# Altium PCB BMD_RevB_PCB.PcbDoc (part 3 of 3)
Units mil, origin at the board's own origin, x right, y up, seen from the top; angles counter-clockwise.
Board outline 5748.03 x 2329.72 mil, 6 copper layers (L1-Top, L2-GND, L3-MID, L4-PWR, L5-PWR5V, L6-Bottom), stack 60.268 mil thick; 313 components, 215 nets, 1099 pads, 390 vias.
Unrouted connection lines stored in the file: 98.
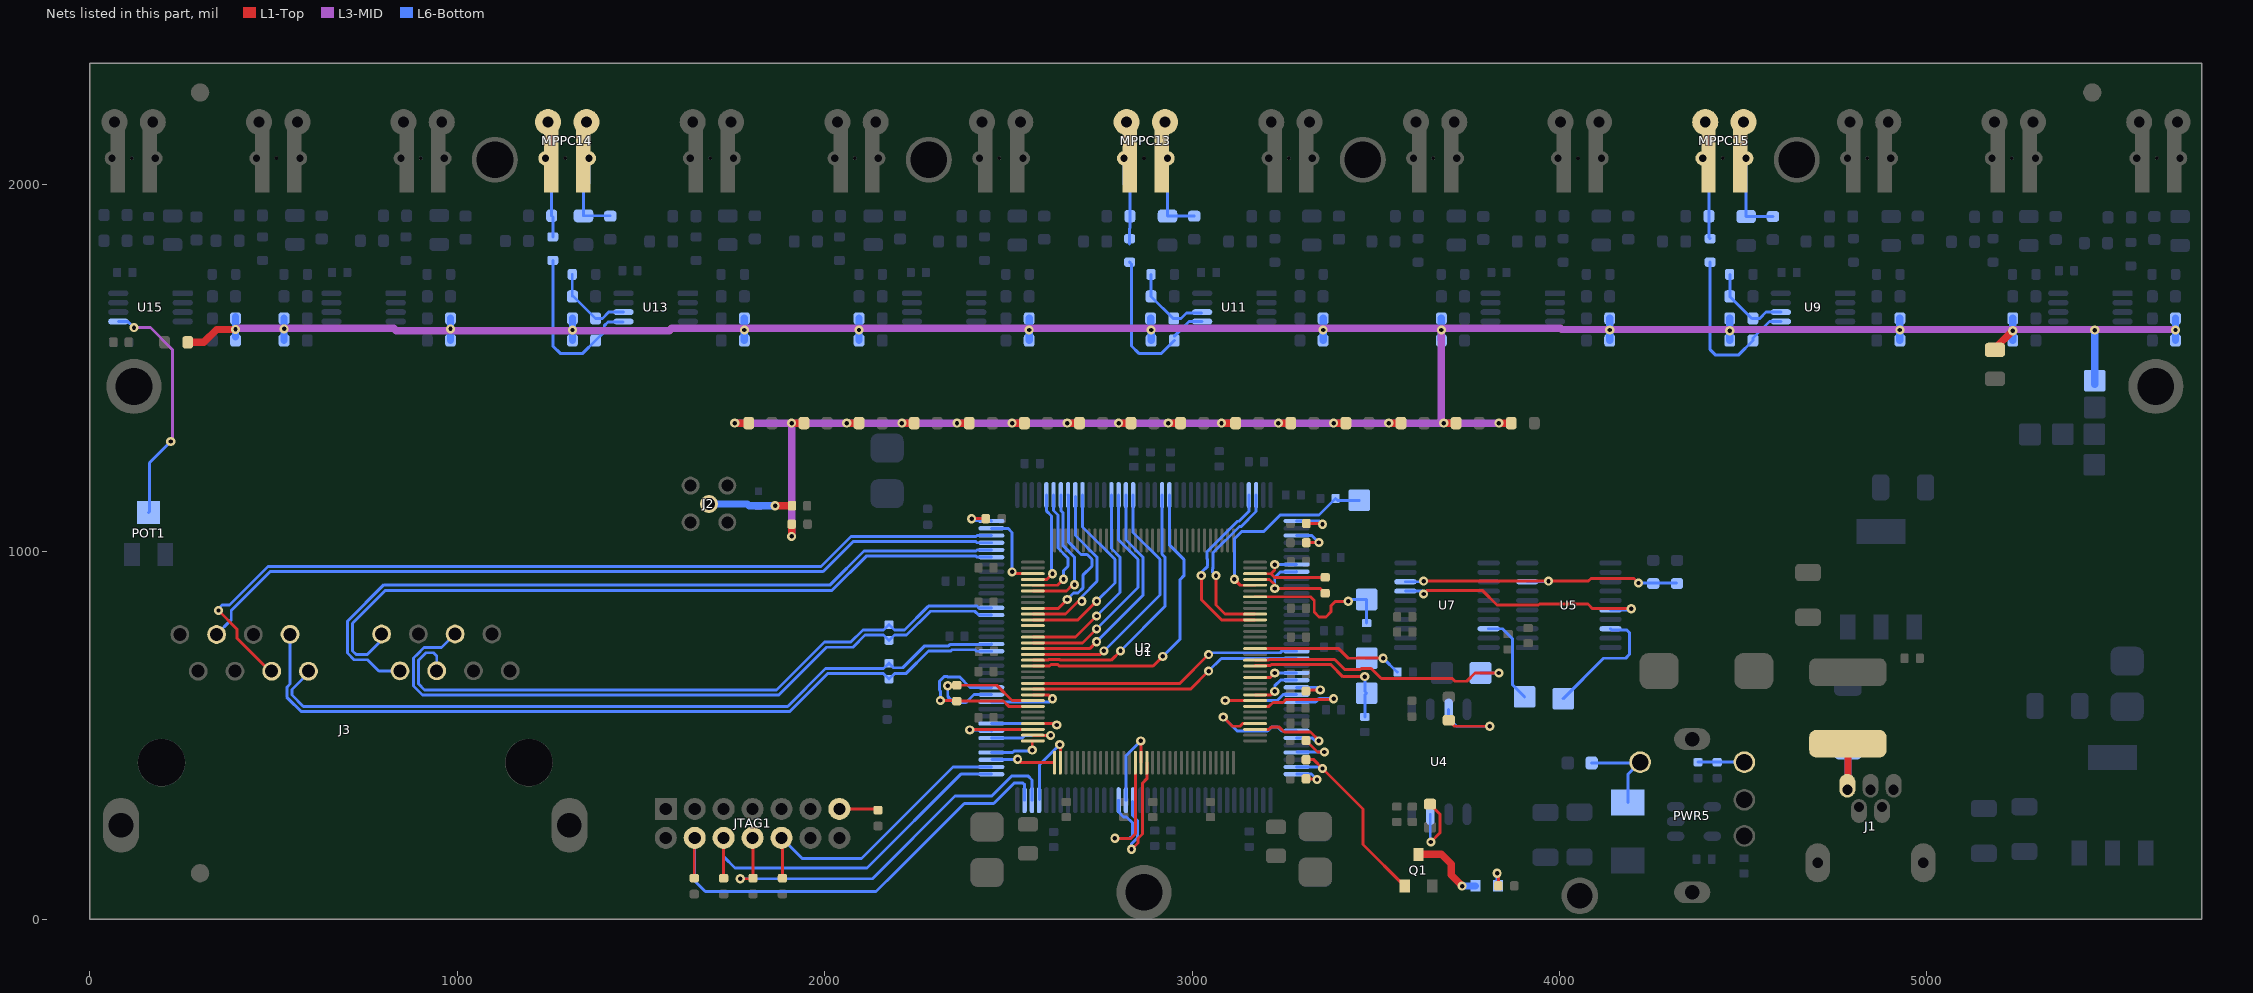
[diagram p7: the nets of this part, all layers, seen from the top]

## Via types
v1: diameter 25, hole 12, L1-Top to L6-Bottom, tented both sides, 390 vias

## Nets (pads, with @x,y where several pads share a name; then routed paths per layer and width w, separated by ;. In a path a pad name is that pad's centre, name@x,y a point inside that pad or via, vN(x,y) a via of type N, cw(c..) or ccw(c..) an arc to the next point about the centre after c; other vN are vias at no path point) (continued)
NetC128_1: C128.1 R90.2 R91.1 U11.6 | length 228
  L6-Bottom w8: C128.1@2888,1755 2888,1695.5 R91.1@2888.5,1695 2948.5,1635 R90.2@2950,1635 2970,1635 2985,1650 U11.6@3025.2,1650
NetC129_1: C129.1 R92.2 R93.1 U13.6 | length 227.4
  L6-Bottom w8: R93.1@1313,1695.5 C129.1@1313,1755 ; R93.1@1316.5,1695 R92.2@1376.5,1635 1395,1635 1412.2,1652.2 U13.6@1452.4,1652.2
NetC130_1: C130.1 R96.2 R97.1 U9.6 | length 230.4
  L6-Bottom w8: C130.1@4463.5,1754.5 R97.1@4463.5,1695 4523.5,1635 R96.2@4526.5,1635 4545,1635 4562.2,1652.2 U9.6@4602.4,1652.2
NetC132_1: C132.1 MPPC13.2 R94.2 | length 230.3
  L6-Bottom w8: MPPC13.2@2933.07,2070.87 R94.2@2933.07,1913.39 C132.1@3005.91,1913.39
NetC133_1: C133.1 MPPC14.2 R95.2 | length 234.5
  L6-Bottom w8: MPPC14.2@1358.28,2070.88 1358.28,2001.72 1343.5,1986.94 R95.2@1343.5,1914.37 C133.1@1415.35,1914.37
NetC134_1: C134.1 MPPC15.2 R98.2 | length 231.3
  L6-Bottom w8: MPPC15.2@4507.87,2070.87 R98.2@4507.87,1912.4 C134.1@4580.71,1912.4
NetC135_1: C135.1 MPPC13.1 R102.2 | length 239.7
  L6-Bottom w8: MPPC13.1@2815,2070.86 2815,2000 2830.71,1984.29 R102.2@2830.71,1913.39 2830.71,1880.71 ; 2830,1837 2830,1880
NetC135_2: C135.2 R99.1 U11.5 | length 461.9
  L6-Bottom w8: C135.2@2830,1788 2835,1783 2835,1560 2855,1540 2916.5,1540 R99.1@2951.5,1575 ; R99.1@2951.5,1586.5 2991.61,1626.61 U11.5@3027.4,1626.61
NetC136_1: C136.1 MPPC14.1 R103.2 | length 217.6
  L6-Bottom w8: MPPC14.1@1240,2070.71 1240,2000 1256.89,1983.11 R103.2@1256.89,1914.37 ; C136.1@1260,1857 R103.2@1260,1911.26
NetC136_2: C136.2 R100.1 U13.5 | length 476.9
  L6-Bottom w8: C136.2@1260,1793 1260,1560 1280,1540 1341.5,1540 R100.1@1376.5,1575 1400,1598.5 1400,1615 1410,1625 U13.5@1450.79,1625
NetC137_1: C137.1 MPPC15.1 R104.2 | length 219.9
  L6-Bottom w8: MPPC15.1@4395,2065.66 4395,1995 4406.5,1983.5 R104.2@4406.5,1913.39 4406.5,1855.5 C137.1@4410,1852
NetC137_2: C137.2 R101.1 U9.5 | length 478.4
  L6-Bottom w8: C137.2@4410,1788 4410,1550 4425,1535 4486.5,1535 R101.1@4526.5,1575 4526.5,1581.5 4571.61,1626.61 U9.5@4602.4,1626.61
NetC141_2: C141.2 J2.1 R106.2 | length 226.4
  L1-Top w20: v1@1866.65,1125 C141.2@1910.98,1125
  L6-Bottom w20: J2.1@1685,1130 1790,1130 1795,1125 R106.2@1820,1125 v1(1865,1125)
NetD2_1: D2.1 FB2.1 PWR5.4 | length 253.9
  L6-Bottom w8: FB2.1@4087.48,425 PWR5.4@4217.32,425 ; D2.1@4186.02,316.93 4186.02,393.7 PWR5.4@4217.32,425 ; PWR5.4@4219.49,427.17 PWR5.4@4217.32,425
NetDAC1_1: DAC1.1 U5.18 | length 345.2
  L6-Bottom w8: DAC1.1@4010,600 4120,710 4180,710 4190,720 4190,780 4182.5,787.5 4141.63,787.5 U5.18@4138.78,790.35
NetDAC2_1: DAC2.1 U7.18 | length 247.9
  L6-Bottom w8: U7.18@3807.09,790.35 3844.65,790.35 3871.5,763.5 3871.5,638.5 DAC2.1@3905,605
NetDONE1_1: DONE1.1 Q1.3 | length 208.2
  L1-Top w20: Q1.3@3616.14,176.18 3678.82,176.18 3705,150 3705,120 v1(3735,90)
  L6-Bottom w20: v1(3735,90) DONE1.1@3771.1,90
NetDONE1_2: DONE1.2 R8.2 | length 71.5
  L1-Top w8: v1(3830,125) 3833.66,121.34 R8.2@3833.66,90.55
  L6-Bottom w8: v1(3830,125) 3830,93.23 DONE1.2@3832.68,90.55
NetJTAG1_13: JTAG1.13 R20.1 | length 106.4
  L1-Top w8: JTAG1.13@2039.96,300 2141.65,300 R20.1@2145,296.65
NetPOT1_2: POT1.2 U15.5 | length 649.2
  L3-MID w8: v1(120,1610) 165,1610 225,1550 225,1305 v1(220,1300)
  L6-Bottom w8: U15.5@77.4,1626.61 103.39,1626.61 v1(120,1610) ; POT1.2@160,1107.09 161.98,1109.07 161.98,1241.98 v1(220,1300)
NetPWR5_3: PWR5.3 R18.1 R19.2 | length 126
  L6-Bottom w8: R18.1@4376.97,427.17 PWR5.3@4502.95,427.17
NetQ1_1: Q1.1 R9.2 U2.71 | length 539.8
  L1-Top w8: R9.2@3310.98,435 3330,435 v1(3355,410) 3465,300 3465,203.31 Q1.1@3578.74,89.57
  L6-Bottom w8: U2.71@3284.37,414.2 3350.8,414.2 v1(3355,410)
NetR3_1: R3.1 U2.144 | length 94.7
  L1-Top w8: v1(2400,1090) R3.1@2438.35,1090
  L6-Bottom w8: v1(2400,1090) 2405,1085 2452.15,1085 U2.144@2453.66,1083.49
NetR5_1: R5.1 U2.69 | length 137.1
  L1-Top w8: R5.1@3310.04,486.22 3341.26,455 v1(3360,455)
  L6-Bottom w8: U2.69@3285.8,455 v1(3360,455)
NetR6_1: R6.1 U2.60 | length 101.1
  L1-Top w8: R6.1@3316.06,621.06 3318.81,623.81 v1(3348.78,623.81)
  L6-Bottom w8: U2.60@3284.37,630.73 3341.85,630.73 v1(3348.78,623.81)
NetR7_1: R7.1 U2.39 | length 102.7
  L1-Top w8: R7.1@3311.02,1024.61 3344.61,1024.61 v1(3345,1025)
  L6-Bottom w8: U2.39@3284.37,1044.12 3325.88,1044.12 v1(3345,1025)
NetR10_1: R10.1 U2.37 | length 118.9
  L1-Top w8: R10.1@3311.02,1076.77 3353.23,1076.77 v1(3355,1075)
  L6-Bottom w8: U2.37@3284.37,1083.49 3346.51,1083.49 v1(3355,1075)
NetR11_2: R11.2 U2.72 | length 92.1
  L1-Top w8: R11.2@3310.04,381.89 3338.11,381.89 v1(3340,380)
  L6-Bottom w8: U2.72@3284.86,395 3325,395 v1(3340,380)
NetR26_1: R26.1 U4.7 | length 200.8
  L1-Top w8: R26.1@3647.64,312.99 3675,285.63 3675,235 v1(3650,210)
  L6-Bottom w8: U4.7@3648.23,285.43 3648.23,211.77 v1(3650,210)
NetR27_1: R27.1 U4.3 | length 262.8
  L1-Top w8: R27.1@3698.82,541.34 3715.16,525 v1(3810,525)
  L6-Bottom w8: U4.3@3698.23,570.87 3698.23,546.77 3720,525 v1(3810,525)
NetR28_1: R28.1 R29.1 U5.8 U7.8 | length 805.1
  L1-Top w8: v1(3630,920) v1(3970,920) 4078.18,920 4085.68,927.5 4202.5,927.5 v1(4215,915)
  L6-Bottom w8: U7.8@3580.71,918.31 3628.31,918.31 v1(3630,920) ; U5.8@3912.4,918.31 3968.31,918.31 v1(3970,920) ; v1(4215,915) R28.1@4318.5,915
NetU5_16: U5.16 U7.7 | length 705
  L1-Top w8: v1(3630,885) 3640,895 3790,895 3830,855 3943.18,855 3945.68,857.5 4077.5,857.5 4090,845 v1(4195,845)
  L6-Bottom w8: U7.7@3580.71,892.72 3627.28,892.72 3630,890 v1(3630,885) ; U5.16@4138.78,841.54 4191.54,841.54 v1(4195,845)
ORed_Trig_N: J3.B6 U2.141 | length 2229.3
  L6-Bottom w8: J3.B6@344.89,774.8 384.8,814.71 384.8,840 490.7,945.9 1995.9,945.9 2000,950 2077.28,1027.28 2411.39,1027.28 2414.23,1024.43 U2.141@2453.66,1024.43
ORed_Trig_P: J3.B3 U2.142 | length 2421.5
  L1-Top w8: v1(350,840) 400,790 400,765 J3.B3@490.2,674.8
  L6-Bottom w8: v1(350,840) 345,840 360,855 380,855 440,915 484.9,959.9 1990.1,959.9 2071.48,1041.28 2411.39,1041.28 2414.23,1044.12 U2.142@2453.66,1044.12
PCLK: U1.37 U2.6 | length 341.1
  L1-Top w8: U1.37@2566.52,908.84 2633.84,908.84 v1(2650,925)
  L6-Bottom w8: U2.6@2622.95,1154.35 2622.95,1111.85 2635,1099.8 2635,1010 2662.5,982.5 2662.5,960.68 2650,948.18 v1(2650,925)
PWR_IN: D1.1 FB1.1 J1.1 | length 228.5
  L1-Top w20: J1.1@4785,353.74 FB1.1@4785,477.56
  L6-Bottom w20: J1.1@4785,353.74 D1.1@4785,458.39
RAMP: U1.108 U2.58 | length 118
  L1-Top w8: U1.108@3171.52,657.64 3212.64,657.64 v1(3225,670)
  L6-Bottom w8: v1(3225,670) 3225.1,670.1 U2.58@3284.37,670.1
RAMPMON_2: RampMON1.1 U1.111 | length 750
  L1-Top w8: U1.111@3171.52,704.74 3208.12,704.74 3209.88,706.5 3387.98,706.5 3414.48,680 3458.18,680 3460.68,682.5 3487.5,682.5 3515,655 3708.18,655 3715.68,647.5 3747.5,647.5 3770,670 v1(3835,670)
  L6-Bottom w8: RampMON1.1@3785,670 v1(3835,670)
RD_CS_S0: U1.46 U2.14 | length 562.9
  L1-Top w8: U1.46@2566.52,767.54 2682.54,767.54 v1(2740,825)
  L6-Bottom w8: v1(2740,825) 2804.03,889.03 2804.03,985.12 2780.43,1008.72 U2.14@2780.43,1154.35
RD_CS_S1: U1.47 U2.15 | length 621.9
  L1-Top w8: U1.47@2566.52,751.84 2701.84,751.84 v1(2740,790)
  L6-Bottom w8: v1(2740,790) 2852.5,902.5 2852.5,979.32 2800.12,1031.7 U2.15@2800.12,1154.35
RD_CS_S2: U1.48 U2.16 | length 652.4
  L1-Top w8: U1.48@2566.52,736.14 2721.14,736.14 v1(2740,755)
  L6-Bottom w8: v1(2740,755) 2866.5,881.5 2866.5,985.12 2819.8,1031.82 U2.16@2819.8,1154.35
RD_CS_S3: U1.49 U2.17 | length 715.3
  L1-Top w8: U1.49@2566.52,720.44 2566.57,720.5 2645.92,720.5 2645.98,720.44 2750.44,720.44 v1(2760,730)
  L6-Bottom w8: v1(2760,730) 2912.5,882.5 2912.5,979.32 2839.49,1052.33 U2.17@2839.49,1154.35
RD_CS_S4: U1.50 U2.21 | length 728.5
  L1-Top w8: U1.50@2566.52,704.74 2608.12,704.74 2609.88,706.5 2640.12,706.5 2641.88,704.74 2779.74,704.74 v1(2805,730)
  L6-Bottom w8: v1(2805,730) 2926.5,851.5 2926.5,985.12 2918.23,993.39 U2.21@2918.23,1154.35
RD_CS_S5: U1.51 U2.22 | length 846.7
  L1-Top w8: U1.51@2566.52,689.04 2612.22,689.04 2615.68,692.5 2634.32,692.5 2637.78,689.04 2894.04,689.04 v1(2920,715)
  L6-Bottom w8: v1(2920,715) 2967.5,762.5 2967.5,924.32 2977.5,934.32 2977.5,979.32 2937.91,1018.91 U2.22@2937.91,1154.35
RD_ENA: U1.100 U2.66 | length 322.8
  L1-Top w8: v1(3085,550) 3110,525 3130,525 3137.04,532.04 U1.100@3171.52,532.04
  L6-Bottom w8: v1(3085,550) 3122.38,512.62 3205.8,512.62 3215.68,522.5 3234.32,522.5 3244.2,512.62 U2.66@3284.37,512.62
RD_RS_S0: U1.105 U2.59 | length 138.2
  L1-Top w8: U1.105@3171.52,610.54 3214.46,610.54 3223.92,620 v1(3225,620)
  L6-Bottom w8: v1(3225,620) 3225,635 3240.42,650.42 U2.59@3284.37,650.42
RD_RS_S1: U1.104 U2.61 | length 282.4
  L1-Top w8: v1(3090,595) U1.104@3171.36,595
  L6-Bottom w8: v1(3090,595) 3231.82,595 3247.87,611.05 U2.61@3284.37,611.05
RD_RS_S2: U1.103 U2.62 | length 326.3
  L1-Top w8: U1.103@3171.52,579.14 3209.14,579.14 3220,590 3247.05,590 3254.65,597.6 3382.6,597.6 v1(3385,600)
  L6-Bottom w8: U2.62@3284.37,591.36 3336.36,591.36 3345,600 v1(3385,600)
REGCLR: U1.99 U2.67 | length 255.9
  L1-Top w8: U1.99@3171.52,516.34 3209.52,516.34 3215.68,522.5 3237.5,522.5 3250.98,509.02 3322.53,509.02 v1@3345.77,485.77
  L6-Bottom w8: U2.67@3284.37,492.94 3327.06,492.94 3335,485 v1(3345,485)
RX_N: J3.B2 R122.1 U2.126 | length 2192.1
  L6-Bottom w8: 540.1,600.1 575.2,565 1905,565 2008,668 2160.35,668 R122.1@2175,653.35 2189.65,668 2220.8,668 2282.8,730 2343.18,730 2346.38,733.2 2408.8,733.2 2412.84,729.16 U2.126@2453.66,729.16 ; 540.1,600.1 536,604.2 536,630.8 544.89,639.69 J3.B2@544.89,775.19
RX_P: J3.B1 R122.2 U2.127 | length 2076.6
  L6-Bottom w8: J3.B1@594.88,669.88 550,625 550,610 581,579 1899.2,579 2002.2,682 2160.35,682 R122.2@2175,696.65 2187.43,684.22 2212.42,684.22 2272.19,744 2337.38,744 2340.59,747.2 2453.66,747.2 U2.127@2453.66,748.84
SC-DC_CLK_N: J3.A4 R4.1 U2.131 | length 1910.3
  L6-Bottom w8: 885.1,630.1 905.2,610 1875,610 2005,740 2076.99,740 2110,773.01 2160.35,773.01 R4.1@2175,758.36 2189.65,773.01 2223.01,773.01 2288,838 2408.62,838 2419.04,827.58 U2.131@2453.66,827.58 ; 885.1,630.1 881,634.2 881,710.8 885.1,714.9 890.1,719.9 909.2,739 957.11,739 J3.A4@994.09,775.98
SC-DC_CLK_P: J3.A5 R4.2 U2.132 | length 1839.9
  L6-Bottom w8: J3.A5@944.09,675.99 944.09,715.91 935,725 915,725 895,705 895,640 911,624 1869.2,624 1999.2,754 2071.19,754 2104.2,787.01 2160.35,787.01 R4.2@2175,801.66 2189.65,787.01 2217.21,787.01 2280.2,850 2282.2,852 2414.42,852 2419.15,847.27 U2.132@2453.66,847.27
SCLK: U1.36 U2.5 | length 281.2
  L1-Top w8: U1.36@2566.52,924.54 2604.54,924.54 v1(2620,940)
  L6-Bottom w8: U2.5@2603.27,1154.35 2603.27,1111.73 2617.5,1097.5 2617.5,942.5 v1(2620,940)
SHOUT: U1.38 U2.7 | length 380.3
  L1-Top w8: U1.38@2566.52,893.14 2658.14,893.14 2675,910 v1(2680,910)
  L6-Bottom w8: U2.7@2642.64,1154.35 2642.64,1111.96 2649,1105.6 2649,1016 2680,985 v1(2680,910)
SIN: U1.35 U2.143 | length 234.1
  L1-Top w8: v1(2510,945) 2510,950 2519.76,940.24 U1.35@2566.52,940.24
  L6-Bottom w8: U2.143@2453.66,1063.8 2498.8,1063.8 2510,1052.61 v1(2510,945)
SMPLSEL_S1: U1.65 U2.111 | length 174.7
  L1-Top w8: v1(2525,435) 2534.21,425.79 U1.65@2625.67,425.79
  L6-Bottom w8: U2.111@2454.78,435 v1(2525,435)
SMPLSEL_S2: U1.64 U2.112 | length 139.6
  L1-Top w8: v1(2565,460) 2565,483.43 U1.64@2566.52,484.94
  L6-Bottom w8: U2.112@2453.66,453.57 2511.75,453.57 2515.68,457.5 2562.5,457.5 v1(2565,460)
SMPLSEL_S3: U1.63 U2.114 | length 212.1
  L1-Top w8: U1.63@2567.16,500 v1(2615,500)
  L6-Bottom w8: U2.114@2453.66,492.94 2537.94,492.94 2545,500 v1(2615,500)
SMPLSEL_S4: U1.62 U2.115 | length 231.7
  L1-Top w8: v1(2395,515) 2396.34,516.34 U1.62@2566.52,516.34
  L6-Bottom w8: v1(2395,515) 2451.28,515 U2.115@2453.66,512.62
SMPLSEL_S5: U1.61 U2.116 | length 243.7
  L1-Top w8: U1.61@2566.52,532.04 2627.96,532.04 v1(2631.48,528.52)
  L6-Bottom w8: U2.116@2453.66,532.31 2627.69,532.31 v1@2630,530
SMPLSI_ANY: U1.66 U2.105 | length 222.5
  L1-Top w8: v1(2640,475) 2641.37,473.63 U1.66@2641.37,425.79
  L6-Bottom w8: U2.105@2585,325.06 2585,420 v1(2640,475)
SR_CLEAR: U1.79 U2.94 | length 421.4
  L1-Top w8: v1(2790,220) 2833.38,220 2845.47,232.08 U1.79@2845.47,425.79
  L6-Bottom w8: v1(2790,220) 2830,220 2837.5,227.5 2837.5,262.5 2821.79,278.21 2813.22,278.21 2800.12,291.31 U2.94@2800.12,323.65
SR_CLOCK: U1.80 U2.93 | length 237.7
  L1-Top w8: v1(2860,485) 2861.17,483.83 U1.80@2861.17,425.79
  L6-Bottom w8: U2.93@2819.8,323.65 2819.8,444.8 v1(2860,485)
SR_SEL: U1.81 U2.92 | length 395.6
  L1-Top w8: v1(2835,190) 2852.5,207.5 2852.5,219.32 2865,231.82 2865,370 2876.87,381.87 U1.81@2876.87,425.79
  L6-Bottom w8: v1(2835,190) 2835,205.2 2851.5,221.7 2851.5,268.3 2837.5,282.3 U2.92@2837.5,319.87
SSTIN_N: R2.1 U1.126 U2.43 | length 283.6
  L1-Top w8: U1.126@3171.52,940.24 3171.76,940 3215,940 ; v1(3225,965) 3225,950 3215,940 ; R2.1@3362.2,930.12 3224.88,930.12 3215,940
  L6-Bottom w8: v1(3225,965) 3225.38,965.38 U2.43@3284.37,965.38
SSTIN_P: R2.2 U1.125 U2.44 | length 308.6
  L1-Top w8: U1.125@3171.52,924.54 3210.66,924.54 3219.08,916.12 3219.88,916.12 3224.08,911.92 3224.08,900.92 v1(3225,900) 3349.02,900 R2.2@3362.2,886.81
  L6-Bottom w8: v1(3225,900) 3225,930 3240,945 3283.68,945 U2.44@3284.37,945.69
TCK: JTAG1.6 R22.1 U2.109 | length 1008.2
  L1-Top w8: R22.1@1725,111.65 JTAG1.6@1725,221.26
  L6-Bottom w8: JTAG1.6@1725,221.26 1725,170 1755.98,139.02 2115,139.02 2370.49,394.51 U2.109@2453.66,394.51
TDI: JTAG1.10 R24.1 U2.110 | length 804.8
  L1-Top w8: R24.1@1885,111.65 JTAG1.10@1885,218.74
  L6-Bottom w8: JTAG1.10@1882.48,221.26 1938.74,165 2100,165 2349.2,414.2 U2.110@2453.66,414.2
TDO: JTAG1.8 R23.1 U2.106 | length 1111.4
  L1-Top w8: v1(1770,110) R23.1@1803.35,110 ; R23.1@1805,111.65 JTAG1.8@1805,220
  L6-Bottom w8: v1(1770,110) 2130,110 2355,335 2455,335 2510,390 2552.8,390 2563.9,378.9 U2.106@2563.9,323.65
TMS: JTAG1.4 R21.1 U2.107 | length 1301.8
  L1-Top w8: R21.1@1645,111.65 JTAG1.4@1645,220
  L6-Bottom w8: JTAG1.4@1646.26,221.26 1646.26,103.74 1675,75 2140,75 2195,130 2380,315 2460,315 2515,370 2540,370 2544.21,365.79 U2.107@2544.21,323.65
TRG_1: U1.119 U2.34 | length 472.4
  L1-Top w8: v1(3065,935) 3065,855 3089.66,830.34 U1.119@3171.52,830.34
  L6-Bottom w8: v1(3065,935) 3055,945 3055,953.38 3056.5,954.88 3056.5,996.3 3129.2,1069 3134,1069 3174.13,1109.13 U2.34@3174.13,1154.35
TRG_2: U1.118 U2.33 | length 512.4
  L1-Top w8: v1(3025,935) 3025,870 3080.36,814.64 U1.118@3171.52,814.64
  L6-Bottom w8: v1(3025,935) 3025,943.18 3042.5,960.68 3042.5,979.32 3040,981.82 3040,1000 3040.4,1000 3123.4,1083 3128,1083 3154.45,1109.45 U2.33@3154.45,1154.35
TRG_3: U1.41 U2.8 | length 459.5
  L1-Top w8: U1.41@2566.52,846.04 2636.04,846.04 v1(2660,870)
  L6-Bottom w8: v1(2660,870) 2677.5,887.5 2689.32,887.5 2702.5,900.68 2702.5,935.68 2727.5,960.68 2727.5,979.32 2714.32,992.5 2697.5,992.5 2663,1027 2663,1153.68 U2.8@2662.32,1154.35
TRG_4: U1.42 U2.9 | length 479.2
  L1-Top w8: U1.42@2566.52,830.34 2655.34,830.34 2695,870 v1(2700,865)
  L6-Bottom w8: U2.9@2682.5,1150.57 2682.5,1044.12 2741.5,985.12 2741.5,919.88 2700,878.38 v1(2700,865)
TRG_5: U1.43 U2.10 | length 541
  L1-Top w8: U1.43@2566.52,814.64 2689.64,814.64 v1(2740,865)
  L6-Bottom w8: U2.10@2701.69,1154.35 2701.69,1067.66 2790.03,979.32 2790.03,915.03 v1(2740,865)
TRG_16: U1.44
TX_N: J3.A8 U2.139 | length 2007
  L6-Bottom w8: J3.A8@794.09,775.98 794.09,759.09 755,720 725,720 715,730 715,805.2 804.8,895 2020,895 2112.91,987.91 2411.39,987.91 2414.23,985.06 U2.139@2453.66,985.06
TX_P: J3.A7 U2.140 | length 2082.9
  L6-Bottom w8: J3.A7@844.09,675.6 786.4,675.6 756,706 719.2,706 701,724.2 701,811 800,910 2015.2,910 2107.11,1001.91 2411.39,1001.91 2414.23,1004.75 U2.140@2453.66,1004.75
VADJN_2: C21.2 U1.122 VadjN1.1 | length 438.7
  L1-Top w8: U1.122@3171.52,877.44 3322.56,877.44 3332.5,867.5 3332.5,835.68 3345.68,822.5 3364.32,822.5 3377.5,835.68 3377.5,852.5 3390,865 v1(3425,865)
  L6-Bottom w8: v1(3425,865) 3430,870 VadjN1.1@3475,870 C21.2@3475,805.67
VADJP_2: C20.2 U1.124 VadjP1.1 | length 560.8
  L1-Top w8: v1(3115,925) 3131.16,908.84 U1.124@3171.52,908.84
  L6-Bottom w8: v1(3115,925) 3115,1035 3135,1055 3195,1055 3240,1100 3345.67,1100 C20.2@3390.67,1145 3395.67,1140 VadjP1.1@3455,1140
VDISCHARGE_2: C18.1 U1.110 Vdis1.1 | length 420.4
  L1-Top w8: U1.110@3171.52,689.04 3171.52,690.12 3213.3,690.12 3215.68,692.5 3377.74,692.5 3410.24,660 v1(3470,660)
  L6-Bottom w8: C18.1@3470,550.67 3470,610 Vdis1.1@3475,615 ; Vdis1.1@3470,620 v1(3470,660)
VPED: C61.2 R13.1 R33.1 R34.1 R35.1 R39.1 R40.1 R41.1 R46.1 R48.1 R50.1 R52.1 R54.1 R59.2 R60.2 R61.2 R65.1 R68.2 R73.1 R74.1 R77.1 R79.1 R80.1 R81.1 R86.1 R88.1 R90.1 R92.1 R96.1 R99.2 R100.2 R101.2 R105.2 R107.1 R108.1 R109.1 R110.1 R111.1 R112.1 R113.1 R114.1 R115.1 R116.1 R117.1 R118.1 R119.1 R120.1 R121.1 VPED1.1 | length 9735.5
  L1-Top w20: R13.1@266.5,1570 310,1570 345,1605 v1(396.5,1605) ; v1(1755,1350) R118.1@1793.5,1350 ; v1(1910,1041.65) R105.2@1910,1075 ; v1(1910,1350) R114.1@1943.5,1350 ; v1(2060,1350) R110.1@2093.5,1350 ; v1(2210,1350) R119.1@2243.5,1350 ; v1(2360,1350) R116.1@2393.5,1350 ; v1(2510,1350) R112.1@2543.5,1350 ; v1(2660,1350) R109.1@2693.5,1350 ; v1(2800,1350) R120.1@2833.5,1350 ; v1(2935,1350) R115.1@2968.5,1350 ; v1(3080,1350) R111.1@3118.5,1350 ; v1(3235,1350) R108.1@3268.5,1350 ; v1(3385,1350) R121.1@3418.5,1350 ; v1(3535,1350) R117.1@3568.5,1350 ; v1(3685,1350) R113.1@3718.5,1350 ; v1(3835,1350) R107.1@3868.5,1350 ; C61.2@5185,1549.37 5185,1552.99 v1(5233.5,1601.5)
  L3-MID w20: v1(396.5,1605) 400,1608.5 826.81,1608.5 833.81,1601.5 1576.81,1601.5 1583.81,1608.5 4001.81,1608.5 4005.31,1605 v1@5675,1605 ; v1(1755,1350) v1(1910,1350) ; v1(1910,1041.65) v1(1910,1350) ; v1(3678.5,1603.5) 3678.5,1356.5 v1(3685,1350) ; v1(3835,1350) v1(3685,1350) ; v1(1910,1350) v1(2060,1350) v1(2210,1350) v1(2360,1350) v1(2510,1350) v1(2660,1350) v1(2800,1350) v1(2935,1350) v1(3080,1350) v1(3235,1350) v1(3385,1350) v1(3535,1350) v1(3685,1350)
  L6-Bottom w20: R88.1@396.5,1585 v1(396.5,1605) R86.1@396.5,1635 R86.1@396.5,1640 ; R68.2@528.5,1575 v1(528.5,1606.5) R65.1@528.5,1635 ; R48.1@981.5,1575 v1(981.5,1606.5) R46.1@981.5,1635 ; R100.2@1313.5,1575 v1(1313.5,1603.5) R92.1@1313.5,1635 ; R80.1@1781.5,1575 v1(1781.5,1603.5) R74.1@1781.5,1635 ; R60.2@2093.5,1575 v1(2093.5,1603.5) R52.1@2093.5,1635 ; R41.1@2556.5,1575 v1(2556.5,1603.5) R35.1@2556.5,1635 ; v1@2887.01,1605 R90.1@2887.01,1635 ; R99.2@2888.5,1575 v1(2888.5,1603.5) ; R79.1@3356.5,1575 v1(3356.5,1603.5) R73.1@3356.5,1635 ; R59.2@3678.5,1575 v1(3678.5,1603.5) R50.1@3678.5,1635 ; R40.1@4136.5,1575 v1(4136.5,1603.5) R34.1@4136.5,1635 ; R101.2@4463.5,1575 v1(4463.5,1601.5) R96.1@4463.5,1635 ; R81.1@4926.5,1575 v1(4926.5,1603.5) R77.1@4926.5,1635 ; R61.2@5233.5,1575 v1(5233.5,1601.5) R54.1@5233.5,1635 ; VPED1.1@5456.69,1455.71 v1(5456.69,1603.31) ; R39.1@5676.5,1575 v1(5676.5,1603.5) R33.1@5676.5,1635
VRAMPREF_2: C19.2 U1.113 Vramp1.1 | length 459.6
  L1-Top w8: U1.113@3171.52,736.14 3398.86,736.14 3425,710 3448.58,710 3449.08,710.5 3519.5,710.5 v1(3520,710)
  L6-Bottom w8: Vramp1.1@3475,710 v1(3520,710) 3557.47,672.53 C19.2@3559.33,672.53
WL_CLK_N: R1.1 U1.57 U2.120 | length 410.8
  L1-Top w8: v1(2335,635) R1.1@2357.94,635 ; R1.1@2359.6,636.65 2468.35,636.65 2510.16,594.84 U1.57@2566.52,594.84
  L6-Bottom w8: v1(2335,635) 2335,606.82 2337.5,604.32 2337.5,602.5 2350,590 2385,590 2406.05,611.05 U2.120@2453.66,611.05
WL_CLK_P: R1.2 U1.58 U2.121 | length 467.7
  L1-Top w8: v1(2315,595) R1.2@2357.94,595 ; R1.2@2359.6,593.35 2486.65,593.35 2500.86,579.14 U1.58@2566.52,579.14
  L6-Bottom w8: v1(2315,595) 2315,620.68 2312.5,623.18 2312.5,647.5 2325,660 2333.58,660 2334.08,659.5 2366.96,659.5 2395.73,630.73 U2.121@2453.66,630.73
WR1_ENA: U1.55 U2.56 | length 752.3
  L1-Top w8: U1.55@2566.52,626.24 2996.24,626.24 v1(3045,675)
  L6-Bottom w8: v1(3045,675) 3079.47,709.47 U2.56@3284.37,709.47
WR2_ENA: U1.56 U2.119 | length 227.8
  L1-Top w8: U1.56@2566.52,610.54 2609.46,610.54 v1(2620,600)
  L6-Bottom w8: U2.119@2453.66,591.36 2611.36,591.36 v1(2620,600)
WR_ADDRCLR: U1.54 U2.55 | length 754
  L1-Top w8: U1.54@2566.52,641.94 2966.94,641.94 v1(3045,720)
  L6-Bottom w8: v1(3045,720) 3050,725 3240,725 3244.16,729.16 U2.55@3284.37,729.16
pads on no net: FID1.0 FID2.0 FID3.0 J1.2 J1.3 J1.4 J1.6 J1.7 J3.M1 J3.M2 JTAG1.1 JTAG1.12 JTAG1.14 MPPC1.0 MPPC2.0 MPPC3.0 MPPC4.0 MPPC5.0 MPPC6.0 MPPC7.0 MPPC8.0 MPPC9.0 MPPC10.0 MPPC11.0 MPPC12.0 MPPC13.0 MPPC14.0 MPPC15.0 U2.11 U2.12 U2.23 U2.24 U2.26 U2.27 U2.29 U2.30 U2.35 U2.40 U2.41 U2.45 U2.57 U2.74 U2.75 U2.117 U2.118
copper on no net:
  other v1: 740,1810 1025,1815

## Polygon pours and split planes (outlines as drawn)
+5V on L6-Bottom "top_plate2" (solid, remove dead copper, pour order 67): 5725,20 5725,1225 3420,1225 3420,20
+5V on L1-Top "top_plate2" (solid, remove dead copper, pour order 65): 5715,10 5720,15 5720,1080 3435,1080 3430,1085 3425,1080 3425,0 5710,0 5720,10
VPED on L3-MID "top_plate2" (solid, remove dead copper, pour order 71): 3435,25 3430,30 3430,1215 5720,1215 5725,1220 5725,2310 30,2310 20,2300 20,10 3415,10 3430,25
+5V on L3-MID "top_plate2" (solid, pour order 69): 5715,25 5725,35 5725,1190 3460,1190 3460,25
GND on L2-GND (split plane): 5727.95,1186.02 5727.95,20.1 20.22,20.1 20.28,926.38 20.28,926.39 20.28,926.4 20.11,1186.04 20.11,2309.63 5727.95,2309.63
+2V5 on L4-PWR (split plane): 5727.95,1186.02 5727.95,20.1 20.22,20.1 20.28,926.38 20.28,926.39 20.28,926.4 20.11,1186.04 20.11,2309.63 5727.95,2309.63
+1V2 on L5-PWR5V (split plane): 5727.95,1186.02 5727.95,20.1 20.22,20.1 20.28,926.38 20.28,926.39 20.28,926.4 20.11,1186.04 20.11,2309.63 5727.95,2309.63

## Other copper
L1-Top:
  text "L1" at 38.02,1238 h60
L3-MID:
  text "L3" at 38.02,1238 h60
L6-Bottom:
  text "L6" at 38.02,1238 h60
L2-GND (plane layer: these items are gaps in the copper):
  text "L2" at 38.02,1238 h60
L5-PWR5V (plane layer: these items are gaps in the copper):
  text "L5" at 38.02,1238 h60
L4-PWR (plane layer: these items are gaps in the copper):
  text "L4" at 38.02,1238 h60

## Silkscreen, mask and mechanical layers (free items; w line width, h text height)
Top Overlay:
  text "CH15" at 50,2240 h35
  text "CH14" at 450,2240 h35
  text "CH13" at 840,2240 h35
  text "CH12" at 1235,2240 h35
  text "CH11" at 1635,2240 h35
  text "CH9" at 2425,2240 h35
  text "CH8" at 2820,2240 h35
  text "CH7" at 3220,2240 h35
  text "CH6" at 3615,2240 h35
  text "CH5" at 4005,2240 h35
  text "CH4" at 4395,2240 h35
  text "CH3" at 4795,2240 h35
  text "CH10" at 2015,2235 h35
  text "CH2" at 5185,2235 h35
  text "CH1" at 5585,2235 h35
  text "BMD_RevB" at 407.24,1193.3 h25
  text "IDL_18_014" at 408.64,1147.5 h25
  text "KPL/PO/GSV" at 408.34,1096.3 h25
Bottom Overlay:
  text "CH15" at 180,2240 h35
  text "CH14" at 570,2240 h35
  text "CH13" at 965,2240 h35
  text "CH12" at 1360,2240 h35
  text "CH11" at 1750,2240 h35
  text "CH9" at 2520,2240 h35
  text "CH8" at 2920,2240 h35
  text "CH7" at 3315,2240 h35
  text "CH6" at 3715,2240 h35
  text "CH5" at 4100,2240 h35
  text "CH4" at 4490,2240 h35
  text "CH3" at 4890,2240 h35
  text "CH10" at 2150,2235 h35
  text "CH2" at 5280,2235 h35
  text "CH1" at 5680,2235 h35
Board Outline:
  lines w10: 5748,0 0,0 0,2328.74 5748.03,2328.74 5748.03,0.65
Sheet Top:
  lines w3.9: -1558.25,-6187.24 -1458.25,-6187.24 ; -1558.25,-4273.91 -1458.25,-4273.91 ; -1558.25,-2360.57 -1458.25,-2360.57 ; -1558.25,-447.24 -1458.25,-447.24 ; -1558.25,1466.09 -1458.25,1466.09 ; 416.75,-8100.57 416.75,-8000.57 ; 416.75,3279.43 416.75,3379.43 ; 2391.75,-8100.57 2391.75,-8000.57 ; 2391.75,3279.43 2391.75,3379.43 ; 4366.75,-8100.57 4366.75,-8000.57 ; 4366.75,3279.43 4366.75,3379.43 ; 6341.75,-8100.57 6341.75,-8000.57 ; 6341.75,3279.43 6341.75,3379.43 ; 8316.75,-8100.57 8316.75,-8000.57 ; 8316.75,3279.43 8316.75,3379.43 ; 10291.75,-8100.57 10291.75,-8000.57 ; 10291.75,3279.43 10291.75,3379.43 ; 12266.75,-8100.57 12266.75,-8000.57 ; 12266.75,3279.43 12266.75,3379.43 ; 14141.75,-6187.24 14241.75,-6187.24 ; 14141.75,-4273.91 14241.75,-4273.91 ; 14141.75,-2360.57 14241.75,-2360.57 ; 14141.75,-447.24 14241.75,-447.24 ; 14141.75,1466.09 14241.75,1466.09 ; -1558.25,-8100.48 14241.66,-8100.48 14241.66,3379.43 -1558.25,3379.43 -1558.25,-8100.48 ; -1457.99,-8000.77 14141.4,-8000.77 14141.4,3279.72 -1457.99,3279.72 -1457.99,-8000.77
  lines w3.94: 7451.75,-8000.77 7451.75,-7290.57 14141.4,-7290.57 ; 7451.75,-7649.81 14141.75,-7649.81 ; 7451.75,-7530.57 12271.75,-7530.57 ; 7451.75,-7410.57 12271.75,-7410.57 ; 8956.75,-7649.81 8956.75,-7290.57 ; 9956.75,-7649.81 9956.75,-7290.57 ; 11546.75,-7649.81 11546.75,-7290.57 ; 12271.75,-8000.77 12271.75,-7290.57 ; 12271.75,-7470.57 14141.4,-7470.57
  text "1" at -590.93,3299.91 h35
  text "2" at 1384.07,3299.91 h35
  text "3" at 3359.07,3299.91 h35
  text "4" at 5334.07,3299.91 h35
  text "5" at 7309.07,3299.91 h35
  text "6" at 9284.07,3299.91 h35
  text "7" at 11259.07,3299.91 h35
  text "8" at 13234.07,3299.91 h35
  text "A" at -1533.48,2342.76 h35
  text "A" at 14166.53,2342.76 h35
  text "B" at -1533.48,429.43 h35
  text "B" at 14166.53,429.43 h35
  text "C" at -1538.52,-1483.91 h35
  text "C" at 14161.48,-1483.91 h35
  text "D" at -1538.52,-3397.24 h35
  text "D" at 14161.48,-3397.24 h35
  text "E" at -1533.48,-5310.57 h35
  text "E" at 14166.53,-5310.57 h35
  text "F" at -1533.48,-7223.91 h35
  text "F" at 14166.53,-7223.91 h35
  text "Designer:" at 7476.75,-7380.57 h100
  text ".Designer" at 8041.75,-7385.57 h100
  text "Revision:" at 8981.75,-7385.57 h100
  text ".RevNum" at 9541.75,-7385.57 h100
  text "File:" at 9981.75,-7385.57 h100
  text ".Pcb_File_Name_No_Path" at 10181.75,-7385.57 h100
  text "Sheet  1 of  1" at 11576.75,-7385.57 h100
  text "Code:" at 12296.75,-7430.57 h100
  text "Drawn By:" at 7476.75,-7500.57 h100
  text ".Drawn_By" at 8041.75,-7500.57 h100
  text "Modif. Date:" at 8981.75,-7505.57 h100
  text "Date" at 9486.75,-7505.57 h100
  text "Variant:" at 9981.75,-7505.57 h100
  text ".VariantName" at 10346.75,-7505.57 h100
  text "ID:" at 12301.75,-7610.57 h100
  text "Approved By:" at 7476.75,-7620.57 h100
  text ".Approved_By" at 8041.75,-7620.57 h100
  text ".Print_Date" at 9429.15,-7624.98 h100
  text "Print Date:" at 8981.75,-7625.57 h100
  text "Signature:" at 9981.75,-7625.57 h100
  text "Size:  A3 H" at 11576.75,-7625.57 h100
  text "Title:" at 7476.75,-7750.57 h100
  text "University of Hawaii at Manoa" at 12303.17,-7758.84 h100
  text "High Energy Physics Group" at 12303.17,-7857.27 h100
  text ".Printout_Name" at 7701.75,-7890.57 h160
  text "Instrumentation Development Laboratory" at 12303.17,-7959.63 h100
  text "1" at -590.93,-8080.09 h35
  text "2" at 1384.07,-8080.09 h35
  text "3" at 3359.07,-8080.09 h35
  text "4" at 5334.07,-8080.09 h35
  text "5" at 7309.07,-8080.09 h35
  text "6" at 9284.07,-8080.09 h35
  text "7" at 11259.07,-8080.09 h35
  text "8" at 13234.07,-8080.09 h35
Sheet Bot:
  lines w3.9: -1558.6,-6187.04 -1458.6,-6187.04 ; -1558.6,-4273.71 -1458.6,-4273.71 ; -1558.6,-2360.38 -1458.6,-2360.38 ; -1558.6,-447.04 -1458.6,-447.04 ; -1558.6,1466.29 -1458.6,1466.29 ; 416.4,-8100.38 416.4,-8000.38 ; 416.4,3279.62 416.4,3379.62 ; 2391.4,-8100.38 2391.4,-8000.38 ; 2391.4,3279.62 2391.4,3379.62 ; 4366.4,-8100.38 4366.4,-8000.38 ; 4366.4,3279.62 4366.4,3379.62 ; 6341.4,-8100.38 6341.4,-8000.38 ; 6341.4,3279.62 6341.4,3379.62 ; 8316.4,-8100.38 8316.4,-8000.38 ; 8316.4,3279.62 8316.4,3379.62 ; 10291.4,-8100.38 10291.4,-8000.38 ; 10291.4,3279.62 10291.4,3379.62 ; 12266.4,-8100.38 12266.4,-8000.38 ; 12266.4,3279.62 12266.4,3379.62 ; 14141.4,-6187.04 14241.4,-6187.04 ; 14141.4,-4273.71 14241.4,-4273.71 ; 14141.4,-2360.38 14241.4,-2360.38 ; 14141.4,-447.04 14241.4,-447.04 ; 14141.4,1466.29 14241.4,1466.29 ; -1558.52,-8100.28 -1558.52,3379.62 14241.4,3379.62 14241.4,-8100.28 -1558.52,-8100.28 ; -1458.25,-8000.57 -1458.25,3279.92 14141.13,3279.92 14141.13,-8000.57 -1458.25,-8000.57
  lines w3.94: -1458.6,-7649.62 5231.4,-7649.62 ; -1458.25,-7470.38 411.4,-7470.38 ; -1458.25,-7290.38 5231.4,-7290.38 5231.4,-8000.57 ; 411.4,-8000.57 411.4,-7290.38 ; 411.4,-7530.38 5231.4,-7530.38 ; 411.4,-7410.38 5231.4,-7410.38 ; 1136.4,-7649.62 1136.4,-7290.38 ; 2726.4,-7649.62 2726.4,-7290.38 ; 3726.4,-7649.62 3726.4,-7290.38
  text "8" at -550.93,3300.11 h35
  text "7" at 1424.07,3300.11 h35
  text "6" at 3399.07,3300.11 h35
  text "5" at 5374.07,3300.11 h35
  text "4" at 7349.07,3300.11 h35
  text "3" at 9324.07,3300.11 h35
  text "2" at 11299.07,3300.11 h35
  text "1" at 13274.07,3300.11 h35
  text "A" at -1483.38,2342.96 h35
  text "A" at 14216.62,2342.96 h35
  text "B" at -1483.38,429.62 h35
  text "B" at 14216.62,429.62 h35
  text "C" at -1478.34,-1483.71 h35
  text "C" at 14221.66,-1483.71 h35
  text "D" at -1478.34,-3397.04 h35
  text "D" at 14221.66,-3397.04 h35
  text "E" at -1483.38,-5310.38 h35
  text "E" at 14216.62,-5310.38 h35
  text "F" at -1483.38,-7223.71 h35
  text "F" at 14216.62,-7223.71 h35
  text "Designer:" at 5206.4,-7380.38 h100
  text "Sheet  1 of  1" at 1106.4,-7385.38 h100
  text ".Pcb_File_Name_No_Path" at 2501.4,-7385.38 h100
  text "File:" at 2701.4,-7385.38 h100
  text ".Version" at 3141.4,-7385.38 h100
  text "Revision:" at 3701.4,-7385.38 h100
  text ".Designer" at 4641.4,-7385.38 h100
  text "Code:" at 386.4,-7430.38 h100
  text ".Drawn_By" at 4641.4,-7500.38 h100
  text "Drawn By:" at 5206.4,-7500.38 h100
  text ".VariantName" at 2336.4,-7505.38 h100
  text "Variant:" at 2701.4,-7505.38 h100
  text "Date" at 3196.4,-7505.38 h100
  text "Modif. Date:" at 3701.4,-7505.38 h100
  text "ID:" at 381.4,-7610.38 h100
  text ".Approved_By" at 4641.4,-7620.38 h100
  text "Approved By:" at 5206.4,-7620.38 h100
  text "Size:  A3 H" at 1106.4,-7625.38 h100
  text "Signature:" at 2701.4,-7625.38 h100
  text ".Print_Date" at 3196.4,-7625.38 h100
  text "Print Date:" at 3701.4,-7625.38 h100
  text "Title:" at 5206.4,-7750.38 h100
  text "University of Hawaii at Manoa" at 378.05,-7762.78 h100
  text "High Energy Physics Group" at 378.05,-7861.21 h100
  text ".Printout_Name" at 4981.4,-7890.38 h160
  text "Instrumentation Development Laboratory" at 378.05,-7963.57 h100
  text "8" at -550.93,-8079.89 h35
  text "7" at 1424.07,-8079.89 h35
  text "6" at 3399.07,-8079.89 h35
  text "5" at 5374.07,-8079.89 h35
  text "4" at 7349.07,-8079.89 h35
  text "3" at 9324.07,-8079.89 h35
  text "2" at 11299.07,-8079.89 h35
  text "1" at 13274.07,-8079.89 h35
FabNTop:
  text ".IDLnum" at 12596.75,-7430.57 h160
  text "ASSEMBLY" at 11576.79,-7506.87 h100
  text ".BoardName" at 12596.75,-7610.57 h160
FabNBot:
  text ".IDLnum" at 86.4,-7430.38 h160
  text "ASSEMBLY" at 1106.32,-7506.87 h100
  text ".ProjectName2" at 86.4,-7610.38 h160
PCBNTop:
  text ".IDLnum" at 12596.75,-7430.57 h160
  text "PCB" at 11576.79,-7506.87 h100
  text ".BoardName" at 12596.75,-7610.57 h160
PCBNBot:
  text ".IDLnum" at 86.63,-7430.1 h160
  text "PCB" at 1106.32,-7506.87 h100
  text ".ProjectName2" at 86.4,-7610.38 h160
Drill Drawing:
  drawing of 695 lines, arcs and shapes, not listed
  text "Notes:" at 7204.96,2348.82 h130
  text "1. Board shall be fabricated - performace class II as per IPC-6011 and IPC6012" at 7204.96,2223.82 h100
  text "2. Silkscreen printed on both sides" at 7204.96,2102.32 h100
  text "3. Material: high temperature FR4 class epoxy glass rated UL94V-0. UL symbol and rating shall be marked farside" at 7204.96,1977.32 h100
  text "35um copper for external and internal layers" at 7304.98,1877.32 h100
  text "Must be RoHS compliant and survive a lead-free assembly max reflow of 260 deg C (5 passes)" at 7304.96,1777.32 h100
  text "Td rating: >340 deg C" at 7354.96,1652.32 h100
  text "Tg = 150 deg C (min)" at 7358.99,1542.06 h100
  text "4. Solder mask: SMOBC per IPC-SM-840C, class T must be Rohs compliant, 0.001\" max measured over bare copper plating," at 7204.96,1432.24 h100
  text "must clear all lands as indicated on gerber solder mask layers, color= GREEN" at 7304.96,1332.24 h100
  text "5. Finish: electro-less nickel immersion gold (ENIG), 0.05-0.125um Au over 3-6um Ni - over bare copper only" at 7204.75,1178.43 h100
  text "6. Solderability test: Category 2 of J-STD-003" at 7204.96,1032.24 h100
  text "7. Finished boards shall not have nicks, scratches, voids, exposed copper, poor plating or misdrilled holes" at 7204.96,882.24 h100
  text "8. All holes sizes are after plating" at 7204.96,732.24 h100
  text "9. PCB manufacturer may add copper thieving as needed to improve manufacturability," at 7204.96,577.24 h100
  text "thieving to be 0.030\" round pads at 0.050\" spacing." at 7354.96,477.24 h100
  text "Thieving will have a minimum of 0.100\" clearance from existing copper and should not be placed under surface mounted devices" at 7354.96,377.24 h100
  text "10. PCB manufacturer may use tear drops to improve annular rings as long as DRC rules are followed" at 7209.96,237.24 h100
  text "11. All via connections to power and ground planes are solid" at 7209.96,97.24 h100
  text "12. All unconnected pads on inner signal layers are removed" at 7209.96,-42.76 h100
  text "13. All finished boards are to be 100% electrically tested" at 7209.98,-182.76 h100
  text "14. Unless otherwise indicated, all linear toleracnes shall be XX.X +/-0.2mm and XX.XX +/- 0.1mm" at 7209.96,-322.76 h100
  text "15. Gerber file GM1 shows board outline (milling line)" at 7209.95,-462.77 h100
  text "16. Table 1 shows Layer stack details" at 7209.95,-602.79 h100
  text "17. Gerber files GTP ans DBP shows stencil cut out, stencil should be flat with no bent tabs on sides." at 7209.95,-760.27 h100
  text "18. GP1, GP2, and GP3 are negative Internal layers.  G1 are postive layers" at 7211.95,-919.27 h100
  text "Table 1a: Layer Stack Details for IDL_16_010 Rev.B (Imperial Units)" at -604.92,-1513.54 h98.43
  text "Table 1b: Layer Stack Details for IDL_16_010 Rev.B (Metric Units)" at 2160,-1515 h98.43
  text "Layer" at 2228.33,-1697.5 h60
  text "Name" at 2479.42,-1697.5 h60
  text "Material" at 2965,-1697.5 h60
  text "Thickness" at 3401.35,-1697.5 h60
  text "Constant" at 3759.78,-1697.5 h60
  text "Board Layer Stack" at 4091.51,-1697.5 h60
  text "Layer" at -516.67,-1707.5 h60
  text "Name" at -265.58,-1707.5 h60
  text "Material" at 220,-1707.5 h60
  text "Thickness" at 656.35,-1707.5 h60
  text "Constant" at 1014.78,-1707.5 h60
  text "Board Layer Stack" at 1346.51,-1707.5 h60
  text "1" at 2228.33,-1817.5 h60
  text "Top Overlay" at 2479.42,-1817.5 h60
  text "1" at -516.67,-1827.5 h60
  text "Top Overlay" at -265.58,-1827.5 h60
  text "2" at 2228.33,-1937.5 h60
  text "Top Solder" at 2479.42,-1937.5 h60
  text "Solder Resist" at 2965,-1937.5 h60
  text "0.010mm" at 3401.35,-1937.5 h60
  text "3.5" at 3759.78,-1937.5 h60
  text "2" at -516.67,-1947.5 h60
  text "Top Solder" at -265.58,-1947.5 h60
  text "Solder Resist" at 220,-1947.5 h60
  text "0.40mil" at 656.35,-1947.5 h60
  text "3.5" at 1014.78,-1947.5 h60
  text "3" at 2228.33,-2057.5 h60
  text "L1-Top" at 2479.42,-2057.5 h60
  text "Copper" at 2965,-2057.5 h60
  text "0.035mm" at 3401.35,-2057.5 h60
  text "3" at -516.67,-2067.5 h60
  text "L1-Top" at -265.58,-2067.5 h60
  text "Copper" at 220,-2067.5 h60
  text "1.38mil" at 656.35,-2067.5 h60
  text "4" at 2228.33,-2177.5 h60
  text "Dielectric 1" at 2479.42,-2177.5 h60
  text "FR-4" at 2965,-2177.5 h60
  text "0.203mm" at 3401.35,-2177.5 h60
  text "4.65" at 3759.78,-2177.5 h60
  text "4" at -516.67,-2187.5 h60
  text "Dielectric 1" at -265.58,-2187.5 h60
  text "FR-4" at 220,-2187.5 h60
  text "8.00mil" at 656.35,-2187.5 h60
  text "4.65" at 1014.78,-2187.5 h60
  text "5" at 2228.33,-2297.5 h60
  text "L2-GND" at 2479.42,-2297.5 h60
  text "Copper" at 2965,-2297.5 h60
  text "0.035mm" at 3401.35,-2297.5 h60
  text "5" at -516.67,-2307.5 h60
  text "L2-GND" at -265.58,-2307.5 h60
  text "Copper" at 220,-2307.5 h60
  text "1.38mil" at 656.35,-2307.5 h60
  text "6" at 2228.33,-2417.5 h60
  text "Dielectric 2" at 2479.42,-2417.5 h60
  text "FR-4" at 2965,-2417.5 h60
  text "0.305mm" at 3401.35,-2417.5 h60
  text "4.65" at 3759.78,-2417.5 h60
  text "6" at -516.67,-2427.5 h60
  text "Dielectric 2" at -265.58,-2427.5 h60
  text "FR-4" at 220,-2427.5 h60
  text "12.00mil" at 656.35,-2427.5 h60
  text "4.65" at 1014.78,-2427.5 h60
  text "7" at 2228.33,-2537.5 h60
  text "L3-MID" at 2479.42,-2537.5 h60
  text "Copper" at 2965,-2537.5 h60
  text "0.035mm" at 3401.35,-2537.5 h60
  text "7" at -516.67,-2547.5 h60
  text "L3-MID" at -265.58,-2547.5 h60
  text "Copper" at 220,-2547.5 h60
  text "1.38mil" at 656.35,-2547.5 h60
  text "8" at 2228.33,-2657.5 h60
  text "Dielectric 3" at 2479.42,-2657.5 h60
  text "FR-4" at 2965,-2657.5 h60
  text "0.305mm" at 3401.35,-2657.5 h60
  text "4.65" at 3759.78,-2657.5 h60
  text "8" at -516.67,-2667.5 h60
  text "Dielectric 3" at -265.58,-2667.5 h60
  text "FR-4" at 220,-2667.5 h60
  text "12.00mil" at 656.35,-2667.5 h60
  text "4.65" at 1014.78,-2667.5 h60
  text "9" at 2228.33,-2777.5 h60
  text "L4-PWR" at 2479.42,-2777.5 h60
  text "Copper" at 2965,-2777.5 h60
  text "0.035mm" at 3401.35,-2777.5 h60
  text "9" at -516.67,-2787.5 h60
  text "L4-PWR" at -265.58,-2787.5 h60
  text "Copper" at 220,-2787.5 h60
  text "1.38mil" at 656.35,-2787.5 h60
  text "10" at 2228.33,-2897.5 h60
  text "Dielectric 4" at 2479.42,-2897.5 h60
  text "FR-4" at 2965,-2897.5 h60
  text "0.305mm" at 3401.35,-2897.5 h60
  text "4.65" at 3759.78,-2897.5 h60
  text "10" at -516.67,-2907.5 h60
  text "Dielectric 4" at -265.58,-2907.5 h60
  text "FR-4" at 220,-2907.5 h60
  text "12.00mil" at 656.35,-2907.5 h60
  text "4.65" at 1014.78,-2907.5 h60
  text "11" at 2228.33,-3017.5 h60
  text "L5-PWR5V" at 2479.42,-3017.5 h60
  text "Copper" at 2965,-3017.5 h60
  text "0.035mm" at 3401.35,-3017.5 h60
  text "11" at -516.67,-3027.5 h60
  text "L5-PWR5V" at -265.58,-3027.5 h60
  text "Copper" at 220,-3027.5 h60
  text "1.38mil" at 656.35,-3027.5 h60
  text "12" at 2228.33,-3137.5 h60
  text "Dielectric 5" at 2479.42,-3137.5 h60
  text "FR-4" at 2965,-3137.5 h60
  text "0.203mm" at 3401.35,-3137.5 h60
  text "4.65" at 3759.78,-3137.5 h60
  text "12" at -516.67,-3147.5 h60
  text "Dielectric 5" at -265.58,-3147.5 h60
  text "FR-4" at 220,-3147.5 h60
  text "8.00mil" at 656.35,-3147.5 h60
  text "4.65" at 1014.78,-3147.5 h60
  text "13" at 2228.33,-3257.5 h60
  text "L6-Bottom" at 2479.42,-3257.5 h60
  text "Copper" at 2965,-3257.5 h60
  text "0.035mm" at 3401.35,-3257.5 h60
  text "13" at -516.67,-3267.5 h60
  text "L6-Bottom" at -265.58,-3267.5 h60
  text "Copper" at 220,-3267.5 h60
  text "1.38mil" at 656.35,-3267.5 h60
  text "14" at 2228.33,-3377.5 h60
  text "Bottom Solder" at 2479.42,-3377.5 h60
  text "Solder Resist" at 2965,-3377.5 h60
  text "0.010mm" at 3401.35,-3377.5 h60
  text "3.5" at 3759.78,-3377.5 h60
  text "14" at -516.67,-3387.5 h60
  text "Bottom Solder" at -265.58,-3387.5 h60
  text "Solder Resist" at 220,-3387.5 h60
  text "0.40mil" at 656.35,-3387.5 h60
  text "3.5" at 1014.78,-3387.5 h60
  text "15" at 2228.33,-3497.5 h60
  text "Bottom Overlay" at 2479.42,-3497.5 h60
  text "15" at -516.67,-3507.5 h60
  text "Bottom Overlay" at -265.58,-3507.5 h60
  text "Table 2: NC Drill Details for IDL_16_010 Rev.B" at -590,-3690 h98.43
  text "Symbol" at -492.48,-3890.06 h72
  text "Hit Count" at 13.39,-3890.06 h72
  text "Finished Hole Size" at 711.21,-3890.06 h72
  text "Plated" at 2056.81,-3890.06 h72
  text "Hole Type" at 2562.68,-3890.06 h72
  text "Hole Length" at 3296.49,-3890.06 h72
  text "1" at 13.39,-4040.06 h60
  text "70.00mil (1.778mm)" at 711.21,-4040.06 h60
  text "PTH" at 2056.81,-4040.06 h60
  text "Round" at 2562.68,-4040.06 h60
  text "-" at 3296.49,-4040.06 h60
  text "A" at -521.57,-4050.05 h66.67
  text "2" at 13.39,-4190.06 h60
  text "29.53mil (0.750mm)" at 711.21,-4190.06 h60
  text "PTH" at 2056.81,-4190.06 h60
  text "Slot" at 2562.68,-4190.06 h60
  text "74.80mil (1.900mm)" at 3296.49,-4190.06 h60
  text "2" at 13.39,-4340.06 h60
  text "39.37mil (1.000mm)" at 711.21,-4340.06 h60
  text "PTH" at 2056.81,-4340.06 h60
  text "Slot" at 2562.68,-4340.06 h60
  text "78.74mil (2.000mm)" at 3296.49,-4340.06 h60
  text "B" at -521.57,-4350.05 h66.67
  text "2" at 13.39,-4490.06 h60
  text "66.93mil (1.700mm)" at 711.21,-4490.06 h60
  text "PTH" at 2056.81,-4490.06 h60
  text "Slot" at 2562.68,-4490.06 h60
  text "118.11mil (3.000mm)" at 3296.49,-4490.06 h60
  text "2" at 13.39,-4640.06 h60
  text "127.95mil (3.250mm)" at 711.21,-4640.06 h60
  text "NPTH" at 2056.81,-4640.06 h60
  text "Round" at 2562.68,-4640.06 h60
  text "-" at 3296.49,-4640.06 h60
  text "4" at 13.39,-4790.06 h60
  text "45.28mil (1.150mm)" at 711.21,-4790.06 h60
  text "PTH" at 2056.81,-4790.06 h60
  text "Round" at 2562.68,-4790.06 h60
  text "-" at 3296.49,-4790.06 h60
  text "C" at -521.57,-4800.05 h66.67
  text "5" at 13.39,-4940.06 h60
  text "27.56mil (0.700mm)" at 711.21,-4940.06 h60
  text "PTH" at 2056.81,-4940.06 h60
  text "Round" at 2562.68,-4940.06 h60
  text "-" at 3296.49,-4940.06 h60
  text "5" at 13.39,-5090.06 h60
  text "33.07mil (0.840mm)" at 711.21,-5090.06 h60
  text "PTH" at 2056.81,-5090.06 h60
  text "Round" at 2562.68,-5090.06 h60
  text "-" at 3296.49,-5090.06 h60
  text "7" at 13.39,-5240.06 h60
  text "100.00mil (2.540mm)" at 711.21,-5240.06 h60
  text "PTH" at 2056.81,-5240.06 h60
  text "Round" at 2562.68,-5240.06 h60
  text "-" at 3296.49,-5240.06 h60
  text "14" at 13.39,-5390.06 h60
  text "33.00mil (0.838mm)" at 711.21,-5390.06 h60
  text "PTH" at 2056.81,-5390.06 h60
  text "Round" at 2562.68,-5390.06 h60
  text "-" at 3296.49,-5390.06 h60
  text "15" at 13.39,-5540.06 h60
  text "9.84mil (0.250mm)" at 711.21,-5540.06 h60
  text "NPTH" at 2056.81,-5540.06 h60
  text "Round" at 2562.68,-5540.06 h60
  text "-" at 3296.49,-5540.06 h60
  text "16" at 13.39,-5690.06 h60
  text "35.43mil (0.900mm)" at 711.21,-5690.06 h60
  text "PTH" at 2056.81,-5690.06 h60
  text "Round" at 2562.68,-5690.06 h60
  text "-" at 3296.49,-5690.06 h60
  text "30" at 13.39,-5840.06 h60
  text "19.69mil (0.500mm)" at 711.21,-5840.06 h60
  text "PTH" at 2056.81,-5840.06 h60
  text "Round" at 2562.68,-5840.06 h60
  text "-" at 3296.49,-5840.06 h60
  text "30" at 13.39,-5990.06 h60
  text "29.53mil (0.750mm)" at 711.21,-5990.06 h60
  text "PTH" at 2056.81,-5990.06 h60
  text "Round" at 2562.68,-5990.06 h60
  text "-" at 3296.49,-5990.06 h60
  text "390" at 13.39,-6140.06 h60
  text "12.00mil (0.305mm)" at 711.21,-6140.06 h60
  text "PTH" at 2056.81,-6140.06 h60
  text "Round" at 2562.68,-6140.06 h60
  text "-" at 3296.49,-6140.06 h60
  text "525 Total" at 13.39,-6290.06 h60
  text "Slot definitions :" at -492.48,-6435.03 h60
  text "Routed Path Length" at 540.21,-6435.03 h60
  text "= Calculated from tool start centre position to tool end centre position." at 1642.87,-6435.03 h60
  text "Hole Length" at 540.21,-6535.01 h60
  text "= Routed Path Length + Tool Size = Slot length as defined in the PCB layout" at 1233,-6535.01 h60
StencilF:
  drawing of 100 lines, arcs and shapes, not listed

## Text inside footprints (layer, text, board x,y; h text height)
L1: Top Overlay "Lab" at 407.55,1239.46 h25; Top Overlay "Development" at 407.55,1279.46 h25; Top Overlay "Instrumentation" at 407.55,1319.46 h25; Top Overlay "IDL" at 407.55,1369.46 h50